# Altium PCB IntelligentCarFor51PcbDoc.PcbDoc (part 8 of 14)
Units mil, origin at the board's own origin, x right, y up, seen from the top; angles counter-clockwise.
Board outline 2298.05 x 2090.03 mil, 2 copper layers (Top Layer, Bottom Layer); 55 components, 66 nets, 258 pads, 143 vias.
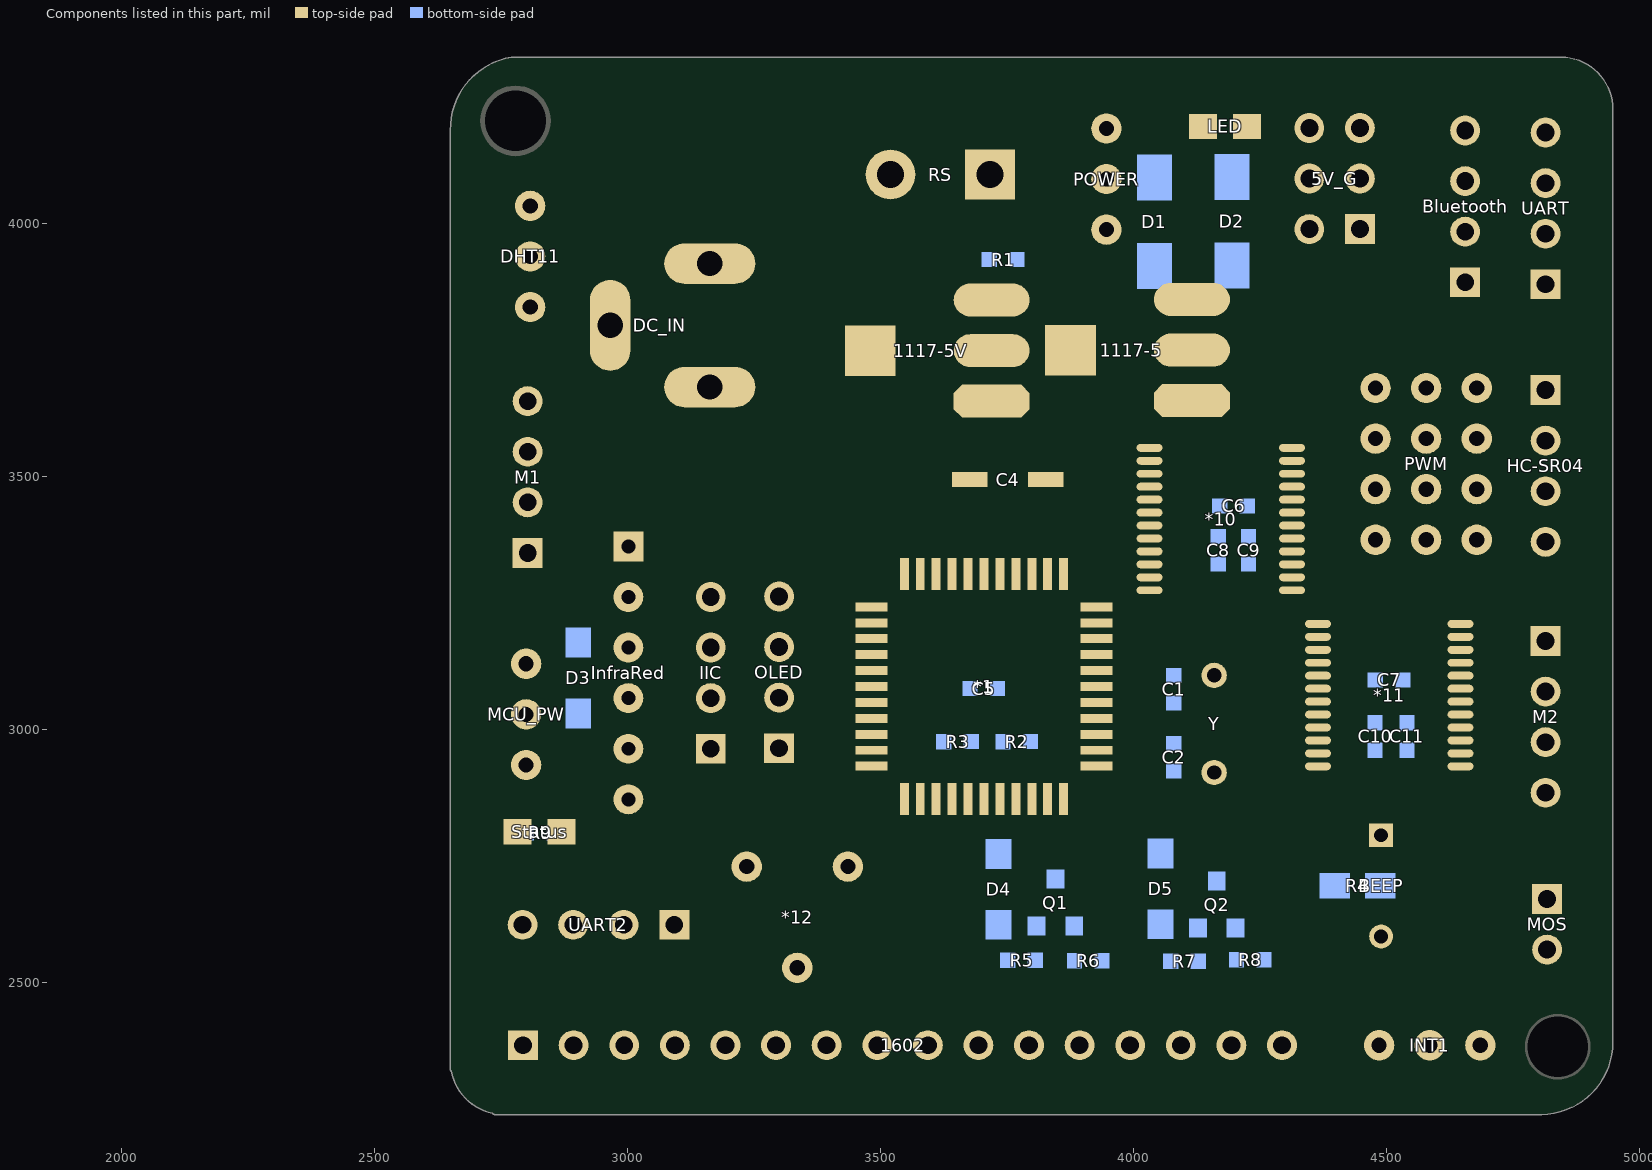
[diagram p8: the components of this part, seen from the top]

## Via types
v1: diameter 12, hole 8, Top Layer to Bottom Layer, 53 vias
v2: diameter 10, hole 7, Top Layer to Bottom Layer, 20 vias
v3: diameter 20, hole 12, Top Layer to Bottom Layer, 15 vias
v4: diameter 35, hole 25, Top Layer to Bottom Layer, 13 vias
v5: diameter 15, hole 10, Top Layer to Bottom Layer, 10 vias
v6: diameter 18, hole 12, Top Layer to Bottom Layer, 10 vias
v7: diameter 50, hole 35, Top Layer to Bottom Layer, 7 vias
v8: diameter 30, hole 20, Top Layer to Bottom Layer, 5 vias
v9: diameter 12, hole 7, Top Layer to Bottom Layer, 3 vias
v10: diameter 25, hole 18, Top Layer to Bottom Layer, 2 vias
v11: diameter 40, hole 30, Top Layer to Bottom Layer, 2 vias
v12: diameter 8, hole 7, Top Layer to Bottom Layer, 1 vias
v13: diameter 30, hole 22, Top Layer to Bottom Layer, 1 vias
v14: diameter 24, hole 18, Top Layer to Bottom Layer, 1 vias

## Nets (pads, with @x,y where several pads share a name; then routed paths per layer and width w, separated by ;. In a path a pad name is that pad's centre, name@x,y a point inside that pad or via, vN(x,y) a via of type N, cw(c..) or ccw(c..) an arc to the next point about the centre after c; other vN are vias at no path point) (continued)
copper on no net: (continued)
  Top Layer w0.35: 2054.25,3226.7 2054.6,3226.7 ; 2054.25,3227.05 2054.6,3227.05 ; 2054.25,3227.4 2054.6,3227.4 ; 2054.25,3227.75 2054.6,3227.75 ; 2054.25,3228.1 2054.6,3228.1 ; 2054.25,3228.45 2054.6,3228.45 ; 2054.25,3228.8 2054.6,3228.8 ; 2054.25,3229.15 2054.6,3229.15 ; 2054.25,3229.5 2054.6,3229.5 ; 2054.25,3229.85 2054.95,3229.85 ; 2054.6,3226 2055.3,3226 ; 2054.6,3226.35 2054.95,3226.35 ; 2054.6,3230.2 2054.95,3230.2 ; 2054.6,3230.55 2055.3,3230.55 ; 2054.95,3225.65 2065.8,3225.65 ; 2054.95,3230.9 2071.75,3230.9 ; 2055.65,3212.35 2063,3212.35 ; 2055.65,3225.3 2065.45,3225.3 ; 2055.65,3231.25 2067.9,3231.25 ; 2055.65,3231.6 2067.9,3231.6 ; 2055.65,3231.95 2068.25,3231.95 ; 2055.65,3232.3 2068.25,3232.3 ; 2055.65,3232.65 2068.6,3232.65 ; 2055.65,3233 2068.6,3233 ; 2055.65,3233.35 2068.95,3233.35 ; 2056,3212 2061.95,3212 ; 2056,3212.7 2063.7,3212.7 ; 2056,3213.05 2063.7,3213.05 ; 2056,3213.4 2064.05,3213.4 ; 2056,3223.55 2065.1,3223.55 ; 2056,3223.9 2065.1,3223.9 ; 2056,3224.25 2065.1,3224.25 ; 2056,3224.6 2065.45,3224.6 ; 2056,3224.95 2065.45,3224.95 ; 2056,3233.7 2069.3,3233.7 ; 2056,3234.05 2069.3,3234.05 ; 2056,3234.4 2069.65,3234.4 ; 2056,3234.75 2069.65,3234.75 ; 2056,3235.1 2070,3235.1 ; 2056.35,3213.75 2064.4,3213.75 ; 2056.35,3214.1 2064.4,3214.1 ; 2056.35,3221.8 2064.4,3221.8 ; 2056.35,3222.15 2064.75,3222.15 ; 2056.35,3222.5 2064.75,3222.5 ; 2056.35,3222.85 2064.75,3222.85 ; 2056.35,3223.2 2065.1,3223.2 ; 2056.35,3235.45 2070,3235.45 ; 2056.7,3214.45 2064.75,3214.45 ; 2056.7,3214.8 2065.1,3214.8 ; 2056.7,3220.75 2064.4,3220.75 ; 2056.7,3221.1 2064.4,3221.1 ; 2056.7,3221.45 2064.4,3221.45 ; 2057.05,3215.15 2065.1,3215.15 ; 2057.05,3215.5 2065.1,3215.5 ; 2057.05,3219.7 2064.05,3219.7 ; 2057.05,3220.05 2064.05,3220.05 ; 2057.05,3220.4 2064.4,3220.4 ; 2057.05,3235.8 2070.35,3235.8 ; 2057.4,3215.85 2065.45,3215.85 ; 2057.4,3216.2 2065.45,3216.2 ; 2057.4,3219 2064.05,3219 ; 2057.4,3219.35 2064.05,3219.35 ; 2057.4,3236.15 2070.7,3236.15 ; 2057.75,3216.55 2065.8,3216.55 ; 2057.75,3216.9 2065.8,3216.9 ; 2057.75,3217.25 2065.8,3217.25 ; 2057.75,3218.3 2063.35,3218.3 ; 2057.75,3218.65 2063.7,3218.65 ; 2058.1,3217.6 2059.5,3217.6 ; 2058.1,3217.95 2058.45,3217.95 ; 2058.1,3236.5 2070.7,3236.5 ; 2058.45,3236.85 2071.05,3236.85 ; 2059.15,3237.2 2071.4,3237.2 ; 2059.5,3217.95 2061.95,3217.95 ; 2059.85,3237.55 2071.4,3237.55 ; 2060.2,3237.9 2071.75,3237.9 ; 2060.2,3238.6 2060.9,3238.6 ; 2060.2,3238.95 2061.25,3238.95 ; 2060.2,3239.3 2072.8,3239.3 ; 2060.2,3239.65 2061.95,3239.65 ; 2060.2,3240 2062.65,3240 ; 2060.2,3240.35 2063,3240.35 ; 2060.2,3240.7 2063.35,3240.7 ; 2060.2,3241.05 2063.7,3241.05 ; 2060.2,3241.4 2074.9,3241.4 ; 2060.2,3241.75 2075.25,3241.75 ; 2060.2,3242.1 2075.6,3242.1 ; 2060.2,3242.45 2075.6,3242.45 ; 2060.2,3242.8 2075.95,3242.8 ; 2060.2,3243.15 2065.45,3243.15 ; 2060.2,3243.5 2065.1,3243.5 ; 2060.2,3243.85 2065.1,3243.85 ; 2060.2,3244.2 2065.1,3244.2 ; 2060.2,3244.55 2065.1,3244.55 ; 2060.55,3211.3 2061.95,3211.3 ; 2060.55,3211.65 2061.95,3211.65 ; 2060.55,3238.25 2072.1,3238.25 ; 2060.55,3244.9 2065.1,3244.9 ; 2060.55,3245.25 2065.1,3245.25 ; 2060.55,3245.6 2065.1,3245.6 ; 2060.55,3245.95 2065.1,3245.95 ; 2060.55,3246.3 2065.1,3246.3 ; 2060.9,3210.25 2063.7,3210.25 ; 2060.9,3210.6 2062.65,3210.6 ; 2060.9,3210.95 2061.95,3210.95 ; 2060.9,3246.65 2065.1,3246.65 ; 2061.25,3209.9 2065.8,3209.9 ; 2061.25,3238.6 2072.45,3238.6 ; 2061.25,3247 2065.1,3247 ; 2061.25,3247.35 2065.1,3247.35 ; 2061.25,3247.7 2065.1,3247.7 ; 2061.25,3260.3 2069.3,3260.3 ; 2061.25,3260.65 2069.3,3260.65 ; 2061.25,3261 2068.25,3261 ; 2061.25,3261.35 2069.65,3261.35 ; 2061.6,3209.55 2068.25,3209.55 ; 2061.6,3217.6 2066.15,3217.6 ; 2061.6,3238.95 2072.45,3238.95 ; 2061.6,3248.05 2065.45,3248.05 ; 2061.6,3248.4 2065.45,3248.4 ; 2061.6,3248.75 2065.45,3248.75 ; 2061.6,3249.1 2065.45,3249.1 ; 2061.6,3261.7 2068.6,3261.7 ; 2061.95,3226 2065.8,3226 ; 2061.95,3230.55 2067.55,3230.55 ; 2061.95,3249.45 2065.8,3249.45 ; 2061.95,3249.8 2065.8,3249.8 ; 2061.95,3250.15 2065.8,3250.15 ; 2061.95,3250.5 2064.75,3250.5 ; 2061.95,3250.85 2097.65,3250.85 ; 2061.95,3251.2 2068.6,3251.2 ; 2061.95,3262.05 2068.95,3262.05 ; 2062.3,3209.2 2068.95,3209.2 ; 2062.3,3226.35 2065.8,3226.35 ; 2062.3,3230.2 2067.55,3230.2 ; 2062.3,3251.55 2066.15,3251.55 ; 2062.3,3251.9 2066.15,3251.9 ; 2062.3,3252.25 2066.5,3252.25 ; 2062.3,3252.6 2066.5,3252.6 ; 2062.3,3252.95 2066.5,3252.95 ; 2062.3,3253.3 2066.5,3253.3 ; 2062.3,3253.65 2066.5,3253.65 ; 2062.3,3254 2066.85,3254 ; 2062.3,3262.4 2070.35,3262.4 ; 2062.65,3226.7 2066.15,3226.7 ; 2062.65,3227.05 2066.15,3227.05 ; 2062.65,3227.4 2066.15,3227.4 ; 2062.65,3227.75 2066.5,3227.75 ; 2062.65,3228.1 2066.5,3228.1 ; 2062.65,3228.45 2066.85,3228.45 ; 2062.65,3228.8 2066.85,3228.8 ; 2062.65,3229.15 2066.85,3229.15 ; 2062.65,3229.5 2067.2,3229.5 ; 2062.65,3229.85 2067.2,3229.85 ; 2062.65,3239.65 2073.15,3239.65 ; 2062.65,3254.35 2066.85,3254.35 ; 2062.65,3254.7 2066.85,3254.7 ; 2062.65,3255.05 2067.2,3255.05 ; 2062.65,3255.4 2067.2,3255.4 ; 2062.65,3255.75 2067.2,3255.75 ; 2062.65,3256.1 2067.55,3256.1 ; 2062.65,3256.45 2066.5,3256.45 ; 2062.65,3256.8 2067.55,3256.8 ; 2062.65,3262.75 2069.3,3262.75 ; 2063,3240 2073.5,3240 ; 2063,3257.15 2067.9,3257.15 ; 2063,3257.5 2067.9,3257.5 ; 2063,3257.85 2068.25,3257.85 ; 2063,3258.2 2068.25,3258.2 ; 2063,3258.55 2068.25,3258.55 ; 2063,3258.9 2067.2,3258.9 ; 2063,3259.25 2072.8,3259.25 ; 2063,3263.1 2071.05,3263.1 ; 2063.35,3217.95 2066.15,3217.95 ; 2063.35,3240.35 2073.85,3240.35 ; 2063.35,3259.6 2068.95,3259.6 ; 2063.35,3259.95 2068.95,3259.95 ; 2063.35,3263.45 2069.65,3263.45 ; 2063.7,3208.85 2069.65,3208.85 ; 2063.7,3212.35 2064.05,3212.35 ; 2063.7,3218.3 2066.15,3218.3 ; 2063.7,3240.7 2073.85,3240.7 ; 2063.7,3263.8 2070,3263.8 ; 2064.05,3212.7 2065.45,3212.7 ; 2064.05,3218.65 2066.5,3218.65 ; 2064.05,3241.05 2074.2,3241.05 ; 2064.05,3264.15 2072.1,3264.15 ; 2064.4,3213.05 2066.5,3213.05 ; 2064.4,3219 2066.5,3219 ; 2064.4,3219.35 2066.85,3219.35 ; 2064.4,3219.7 2066.85,3219.7 ; 2064.4,3220.05 2066.85,3220.05 ; 2064.4,3264.5 2070.35,3264.5 ; 2064.4,3264.85 2070.7,3264.85 ; 2064.75,3213.4 2067.9,3213.4 ; 2064.75,3213.75 2068.6,3213.75 ; 2064.75,3220.4 2067.2,3220.4 ; 2064.75,3220.75 2067.2,3220.75 ; 2064.75,3221.1 2067.2,3221.1 ; 2064.75,3221.45 2067.55,3221.45 ; 2064.75,3265.2 2071.05,3265.2 ; 2064.75,3265.55 2074.2,3265.55 ; 2064.75,3265.9 2071.4,3265.9 ; 2065.1,3214.1 2069.3,3214.1 ; 2065.1,3214.45 2069.3,3214.45 ; 2065.1,3221.8 2067.55,3221.8 ; 2065.1,3222.15 2067.55,3222.15 ; 2065.1,3222.5 2067.9,3222.5 ; 2065.1,3222.85 2067.9,3222.85 ; 2065.1,3250.5 2066.15,3250.5 ; 2065.1,3266.25 2071.75,3266.25 ; 2065.1,3266.6 2072.1,3266.6 ; 2065.45,3214.8 2069.3,3214.8 ; 2065.45,3215.15 2069.65,3215.15 ; 2065.45,3223.2 2068.25,3223.2 ; 2065.45,3223.55 2068.25,3223.55 ; 2065.45,3223.9 2068.25,3223.9 ; 2065.45,3224.25 2068.6,3224.25 ; 2065.45,3266.95 2072.45,3266.95 ; 2065.8,3215.5 2069.65,3215.5 ; 2065.8,3215.85 2069.65,3215.85 ; 2065.8,3216.2 2069.65,3216.2 ; 2065.8,3224.6 2068.6,3224.6 ; 2065.8,3224.95 2068.95,3224.95 ; 2065.8,3225.3 2068.95,3225.3 ; 2065.8,3267.3 2072.8,3267.3 ; 2065.8,3267.65 2073.15,3267.65 ; 2066.15,3208.5 2070.35,3208.5 ; 2066.15,3216.55 2070,3216.55 ; 2066.15,3216.9 2070,3216.9 ; 2066.15,3225.65 2068.95,3225.65 ; 2066.15,3226 2069.3,3226 ; 2066.15,3268 2073.5,3268 ; 2066.5,3217.25 2070,3217.25 ; 2066.5,3217.6 2070,3217.6 ; 2066.5,3217.95 2070.35,3217.95 ; 2066.5,3226.35 2069.3,3226.35 ; 2066.5,3226.7 2069.65,3226.7 ; 2066.5,3227.05 2069.65,3227.05 ; 2066.5,3227.4 2070,3227.4 ; 2066.5,3250.5 2093.45,3250.5 ; 2066.5,3268.35 2073.85,3268.35 ; 2066.85,3218.3 2070.35,3218.3 ; 2066.85,3218.65 2070.35,3218.65 ; 2066.85,3219 2070.35,3219 ; 2066.85,3227.75 2070,3227.75 ; 2066.85,3228.1 2070.35,3228.1 ; 2066.85,3256.45 2067.55,3256.45 ; 2066.85,3268.7 2074.2,3268.7 ; 2066.85,3269.05 2074.55,3269.05 ; 2067.2,3219.35 2070.7,3219.35 ; 2067.2,3219.7 2070.7,3219.7 ; 2067.2,3220.05 2070.7,3220.05 ; 2067.2,3228.45 2070.35,3228.45 ; 2067.2,3228.8 2070.7,3228.8 ; 2067.2,3229.15 2070.7,3229.15 ; 2067.2,3269.4 2091.7,3269.4 ; 2067.55,3220.4 2070.7,3220.4 ; 2067.55,3220.75 2071.05,3220.75 ; 2067.55,3221.1 2071.05,3221.1 ; 2067.55,3229.5 2071.05,3229.5 ; 2067.55,3229.85 2071.05,3229.85 ; 2067.55,3258.9 2114.45,3258.9 ; 2067.9,3208.15 2071.05,3208.15 ; 2067.9,3221.45 2071.05,3221.45 ; 2067.9,3221.8 2071.4,3221.8 ; 2067.9,3230.2 2071.4,3230.2 ; 2067.9,3230.55 2071.4,3230.55 ; 2067.9,3243.15 2076.65,3243.15 ; 2067.9,3269.75 2075.6,3269.75 ; 2068.25,3222.15 2071.4,3222.15 ; 2068.25,3222.5 2071.4,3222.5 ; 2068.25,3222.85 2071.75,3222.85 ; 2068.25,3231.25 2071.75,3231.25 ; 2068.25,3231.6 2072.1,3231.6 ; 2068.25,3243.5 2077,3243.5 ; 2068.25,3270.1 2068.95,3270.1 ; 2068.6,3207.8 2071.75,3207.8 ; 2068.6,3223.2 2071.75,3223.2 ; 2068.6,3223.55 2071.75,3223.55 ; 2068.6,3223.9 2072.1,3223.9 ; 2068.6,3231.95 2072.45,3231.95 ; 2068.6,3232.3 2072.45,3232.3 ; 2068.6,3243.85 2077.35,3243.85 ; 2068.6,3261 2069.65,3261 ; 2068.6,3270.45 2090.65,3270.45 ; 2068.95,3224.25 2072.1,3224.25 ; 2068.95,3224.6 2072.45,3224.6 ; 2068.95,3232.65 2072.8,3232.65 ; 2068.95,3244.2 2077.7,3244.2 ; 2068.95,3244.55 2078.4,3244.55 ; 2068.95,3261.7 2070,3261.7 ; 2068.95,3270.8 2075.95,3270.8 ; 2069.3,3207.45 2073.85,3207.45 ; 2069.3,3224.95 2072.45,3224.95 ; 2069.3,3225.3 2072.45,3225.3 ; 2069.3,3225.65 2072.8,3225.65 ; 2069.3,3233 2073.15,3233 ; 2069.3,3233.35 2073.15,3233.35 ; 2069.3,3244.9 2078.75,3244.9 ; 2069.3,3245.25 2079.1,3245.25 ; 2069.3,3245.6 2079.8,3245.6 ; 2069.3,3262.05 2070.35,3262.05 ; 2069.3,3270.1 2069.65,3270.1 ; 2069.3,3271.15 2070,3271.15 ; 2069.65,3226 2072.8,3226 ; 2069.65,3226.35 2073.15,3226.35 ; 2069.65,3233.7 2073.5,3233.7 ; 2069.65,3234.05 2073.85,3234.05 ; 2069.65,3245.95 2080.15,3245.95 ; 2069.65,3246.3 2080.85,3246.3 ; 2069.65,3246.65 2081.55,3246.65 ; 2069.65,3262.75 2070.7,3262.75 ; 2070,3207.1 2073.85,3207.1 ; 2070,3226.7 2073.15,3226.7 ; 2070,3227.05 2073.5,3227.05 ; 2070,3234.4 2073.85,3234.4 ; 2070,3234.75 2074.2,3234.75 ; 2070,3247 2081.9,3247 ; 2070,3247.35 2082.6,3247.35 ; 2070,3247.7 2083.3,3247.7 ; 2070,3263.45 2071.4,3263.45 ; 2070,3271.5 2131.95,3271.5 ; 2070,3271.85 2077.7,3271.85 ; 2070.35,3227.4 2073.5,3227.4 ; 2070.35,3227.75 2073.85,3227.75 ; 2070.35,3235.1 2074.55,3235.1 ; 2070.35,3248.05 2084.35,3248.05 ; 2070.35,3248.4 2085.05,3248.4 ; 2070.35,3248.75 2085.75,3248.75 ; 2070.35,3249.1 2086.8,3249.1 ; 2070.35,3263.8 2071.75,3263.8 ; 2070.35,3272.2 2078.05,3272.2 ; 2070.35,3272.55 2097.65,3272.55 ; 2070.7,3206.75 2074.2,3206.75 ; 2070.7,3228.1 2073.85,3228.1 ; 2070.7,3228.45 2074.2,3228.45 ; 2070.7,3235.45 2074.9,3235.45 ; 2070.7,3235.8 2074.9,3235.8 ; 2070.7,3249.45 2087.85,3249.45 ; 2070.7,3249.8 2089.25,3249.8 ; 2070.7,3250.15 2090.65,3250.15 ; 2070.7,3264.5 2072.45,3264.5 ; 2070.7,3272.9 2071.05,3272.9 ; 2071.05,3228.8 2074.2,3228.8 ; 2071.05,3229.15 2074.55,3229.15 ; 2071.05,3236.15 2075.25,3236.15 ; 2071.05,3251.2 2269.85,3251.2 ; 2071.05,3258.55 2114.45,3258.55 ; 2071.05,3264.85 2072.8,3264.85 ; 2071.4,3206.4 2074.2,3206.4 ; 2071.4,3229.5 2074.9,3229.5 ; 2071.4,3229.85 2074.9,3229.85 ; 2071.4,3236.5 2075.6,3236.5 ; 2071.4,3236.85 2075.95,3236.85 ; 2071.4,3251.55 2269.5,3251.55 ; 2071.4,3251.9 2269.15,3251.9 ; 2071.4,3252.25 2269.15,3252.25 ; 2071.4,3265.2 2073.5,3265.2 ; 2071.4,3272.9 2071.75,3272.9 ; 2071.75,3230.2 2075.25,3230.2 ; 2071.75,3230.55 2075.25,3230.55 ; 2071.75,3237.2 2076.3,3237.2 ; 2071.75,3252.6 2269.15,3252.6 ; 2071.75,3252.95 2269.15,3252.95 ; 2071.75,3253.3 2269.15,3253.3 ; 2071.75,3265.9 2164.15,3265.9 ; 2072.1,3206.05 2074.2,3206.05 ; 2072.1,3209.2 2073.5,3209.2 ; 2072.1,3209.55 2073.5,3209.55 ; 2072.1,3209.9 2073.5,3209.9 ; 2072.1,3210.25 2073.5,3210.25 ; 2072.1,3210.6 2073.5,3210.6 ; 2072.1,3210.95 2073.5,3210.95 ; 2072.1,3211.3 2073.5,3211.3 ; 2072.1,3211.65 2073.5,3211.65 ; 2072.1,3212 2073.5,3212 ; 2072.1,3212.35 2073.5,3212.35 ; 2072.1,3212.7 2073.5,3212.7 ; 2072.1,3213.05 2073.5,3213.05 ; 2072.1,3213.4 2073.5,3213.4 ; 2072.1,3213.75 2073.5,3213.75 ; 2072.1,3214.1 2073.5,3214.1 ; 2072.1,3214.45 2073.5,3214.45 ; 2072.1,3214.8 2073.5,3214.8 ; 2072.1,3215.15 2073.5,3215.15 ; 2072.1,3215.5 2073.5,3215.5 ; 2072.1,3215.85 2073.5,3215.85 ; 2072.1,3216.2 2073.5,3216.2 ; 2072.1,3216.55 2073.5,3216.55 ; 2072.1,3230.9 2075.6,3230.9 ; 2072.1,3237.55 2076.65,3237.55 ; 2072.1,3237.9 2077,3237.9 ; 2072.1,3253.65 2119.35,3253.65 ; 2072.1,3254 2117.95,3254 ; 2072.1,3266.25 2164.85,3266.25 ; 2072.1,3272.9 2078.4,3272.9 ; 2072.45,3207.8 2073.85,3207.8 ; 2072.45,3208.15 2073.85,3208.15 ; 2072.45,3208.5 2073.85,3208.5 ; 2072.45,3208.85 2073.5,3208.85 ; 2072.45,3216.9 2073.85,3216.9 ; 2072.45,3217.25 2073.85,3217.25 ; 2072.45,3217.6 2073.85,3217.6 ; 2072.45,3217.95 2073.85,3217.95 ; 2072.45,3218.3 2073.85,3218.3 ; 2072.45,3231.25 2075.95,3231.25 ; 2072.45,3231.6 2075.95,3231.6 ; 2072.45,3238.25 2077.35,3238.25 ; 2072.45,3254.35 2117.25,3254.35 ; 2072.45,3254.7 2116.9,3254.7 ; 2072.45,3255.05 2116.2,3255.05 ; 2072.45,3266.6 2172.55,3266.6 ; 2072.8,3205.7 2074.2,3205.7 ; 2072.8,3218.65 2074.2,3218.65 ; 2072.8,3219 2074.2,3219 ; 2072.8,3219.35 2074.2,3219.35 ; 2072.8,3219.7 2074.2,3219.7 ; 2072.8,3231.95 2076.3,3231.95 ; 2072.8,3238.6 2077.7,3238.6 ; 2072.8,3255.4 2115.85,3255.4 ; 2072.8,3255.75 2115.85,3255.75 ; 2072.8,3256.1 2115.5,3256.1 ; 2072.8,3266.95 2163.8,3266.95 ; 2073.15,3204.65 2074.55,3204.65 ; 2073.15,3205 2074.55,3205 ; 2073.15,3205.35 2074.55,3205.35 ; 2073.15,3220.05 2074.55,3220.05 ; 2073.15,3220.4 2074.55,3220.4 ; 2073.15,3220.75 2074.55,3220.75 ; 2073.15,3232.3 2076.65,3232.3 ; 2073.15,3232.65 2076.65,3232.65 ; 2073.15,3238.95 2075.6,3238.95 ; 2073.15,3256.45 2115.15,3256.45 ; 2073.15,3256.8 2114.8,3256.8 ; 2073.15,3257.15 2114.8,3257.15 ; 2073.15,3257.5 2114.8,3257.5 ; 2073.15,3259.25 2073.5,3259.25 ; 2073.15,3267.3 2154,3267.3 ; 2073.5,3203.6 2075.25,3203.6 ; 2073.5,3203.95 2074.9,3203.95 ; 2073.5,3204.3 2074.9,3204.3 ; 2073.5,3221.1 2074.9,3221.1 ; 2073.5,3221.45 2074.9,3221.45 ; 2073.5,3221.8 2074.9,3221.8 ; 2073.5,3233 2077,3233 ; 2073.5,3239.3 2078.4,3239.3 ; 2073.5,3239.65 2079.1,3239.65 ; 2073.5,3257.85 2114.45,3257.85 ; 2073.5,3258.2 2114.45,3258.2 ; 2073.5,3267.65 2144.55,3267.65 ; 2073.85,3202.55 2075.6,3202.55 ; 2073.85,3202.9 2075.25,3202.9 ; 2073.85,3203.25 2075.25,3203.25 ; 2073.85,3210.25 2078.75,3210.25 ; 2073.85,3210.6 2078.75,3210.6 ; 2073.85,3210.95 2078.75,3210.95 ; 2073.85,3211.3 2078.75,3211.3 ; 2073.85,3211.65 2078.75,3211.65 ; 2073.85,3212 2078.75,3212 ; 2073.85,3212.35 2078.75,3212.35 ; 2073.85,3212.7 2078.75,3212.7 ; 2073.85,3213.05 2078.75,3213.05 ; 2073.85,3213.4 2078.75,3213.4 ; 2073.85,3213.75 2078.75,3213.75 ; 2073.85,3214.1 2078.75,3214.1 ; 2073.85,3214.45 2078.75,3214.45 ; 2073.85,3214.8 2078.75,3214.8 ; 2073.85,3215.15 2078.75,3215.15 ; 2073.85,3222.15 2075.25,3222.15 ; 2073.85,3222.5 2075.25,3222.5 ; 2073.85,3233.35 2077.35,3233.35 ; 2073.85,3233.7 2077.7,3233.7 ; 2073.85,3240 2079.45,3240 ; 2073.85,3259.25 2114.45,3259.25 ; 2073.85,3268 2135.8,3268 ; 2074.2,3201.85 2075.95,3201.85 ; 2074.2,3202.2 2075.6,3202.2 ; 2074.2,3207.8 2079.45,3207.8 ; 2074.2,3208.15 2079.45,3208.15 ; 2074.2,3208.5 2079.1,3208.5 ; 2074.2,3208.85 2079.1,3208.85 ; 2074.2,3209.2 2079.1,3209.2 ; 2074.2,3209.55 2079.1,3209.55 ; 2074.2,3209.9 2079.1,3209.9 ; 2074.2,3215.5 2079.1,3215.5 ; 2074.2,3215.85 2079.1,3215.85 ; 2074.2,3216.2 2079.1,3216.2 ; 2074.2,3216.55 2079.1,3216.55 ; 2074.2,3216.9 2079.1,3216.9 ; 2074.2,3217.25 2079.45,3217.25 ; 2074.2,3217.6 2079.45,3217.6 ; 2074.2,3222.85 2075.6,3222.85 ; 2074.2,3223.2 2075.6,3223.2 ; 2074.2,3223.55 2075.95,3223.55 ; 2074.2,3234.05 2078.05,3234.05 ; 2074.2,3240.35 2079.8,3240.35 ; 2074.2,3259.6 2114.45,3259.6 ; 2074.2,3259.95 2114.45,3259.95 ; 2074.2,3268.35 2124.6,3268.35 ; 2074.55,3201.15 2076.3,3201.15 ; 2074.55,3201.5 2075.95,3201.5 ; 2074.55,3206.4 2079.8,3206.4 ; 2074.55,3206.75 2079.8,3206.75 ; 2074.55,3207.1 2079.45,3207.1 ; 2074.55,3207.45 2079.45,3207.45 ; 2074.55,3217.95 2079.45,3217.95 ; 2074.55,3218.3 2079.45,3218.3 ; 2074.55,3218.65 2079.8,3218.65 ; 2074.55,3219 2079.8,3219 ; 2074.55,3223.9 2075.95,3223.9 ; 2074.55,3224.25 2076.3,3224.25 ; 2074.55,3234.4 2078.4,3234.4 ; 2074.55,3234.75 2078.75,3234.75 ; 2074.55,3240.7 2080.5,3240.7 ; 2074.55,3260.3 2114.45,3260.3 ; 2074.55,3260.65 2114.45,3260.65 ; 2074.55,3261 2114.8,3261 ; 2074.55,3268.7 2114.45,3268.7 ; 2074.9,3200.45 2076.65,3200.45 ; 2074.9,3200.8 2076.3,3200.8 ; 2074.9,3205.35 2080.15,3205.35 ; 2074.9,3205.7 2080.15,3205.7 ; 2074.9,3206.05 2079.8,3206.05 ; 2074.9,3219.35 2079.8,3219.35 ; 2074.9,3219.7 2080.15,3219.7 ; 2074.9,3220.05 2080.15,3220.05 ; 2074.9,3224.6 2076.3,3224.6 ; 2074.9,3224.95 2076.65,3224.95 ; 2074.9,3235.1 2078.75,3235.1 ; 2074.9,3241.05 2080.85,3241.05 ; 2074.9,3261.35 2114.8,3261.35 ; 2074.9,3261.7 2114.8,3261.7 ; 2074.9,3262.05 2115.15,3262.05 ; 2074.9,3269.05 2104.65,3269.05 ; 2074.9,3270.1 2075.25,3270.1 ; 2075.25,3199.75 2077,3199.75 ; 2075.25,3200.1 2076.65,3200.1 ; 2075.25,3204.3 2080.5,3204.3 ; 2075.25,3204.65 2080.5,3204.65 ; 2075.25,3205 2080.15,3205 ; 2075.25,3220.4 2080.5,3220.4 ; 2075.25,3220.75 2080.5,3220.75 ; 2075.25,3221.1 2080.85,3221.1 ; 2075.25,3225.3 2076.65,3225.3 ; 2075.25,3225.65 2077,3225.65 ; 2075.25,3235.45 2079.45,3235.45 ; 2075.25,3241.4 2081.55,3241.4 ; 2075.25,3262.4 2115.15,3262.4 ; 2075.25,3262.75 2115.5,3262.75 ; 2075.25,3265.55 2163.45,3265.55 ; 2075.6,3199.4 2077.35,3199.4 ; 2075.6,3203.6 2080.85,3203.6 ; 2075.6,3203.95 2080.85,3203.95 ; 2075.6,3221.45 2080.85,3221.45 ; 2075.6,3221.8 2080.85,3221.8 ; 2075.6,3226 2077.35,3226 ; 2075.6,3235.8 2078.4,3235.8 ; 2075.6,3241.75 2081.9,3241.75 ; 2075.6,3263.1 2115.85,3263.1 ; 2075.6,3263.45 2116.2,3263.45 ; 2075.6,3263.8 2116.55,3263.8 ; 2075.6,3265.2 2206.5,3265.2 ; 2075.95,3198.7 2077.7,3198.7 ; 2075.95,3199.05 2077.35,3199.05 ; 2075.95,3202.55 2081.55,3202.55 ; 2075.95,3202.9 2081.2,3202.9 ; 2075.95,3203.25 2081.2,3203.25 ; 2075.95,3222.15 2081.2,3222.15 ; 2075.95,3222.5 2081.55,3222.5 ; 2075.95,3222.85 2081.55,3222.85 ; 2075.95,3226.35 2077.35,3226.35 ; 2075.95,3226.7 2077.7,3226.7 ; 2075.95,3236.15 2078.05,3236.15 ; 2075.95,3238.95 2078.05,3238.95 ; 2075.95,3242.1 2082.6,3242.1 ; 2075.95,3264.15 2117.25,3264.15 ; 2075.95,3264.5 2117.6,3264.5 ; 2075.95,3264.85 2118.65,3264.85 ; 2075.95,3269.75 2080.85,3269.75 ; 2075.95,3271.15 2077.35,3271.15 ; 2076.3,3198 2078.05,3198 ; 2076.3,3198.35 2078.05,3198.35 ; 2076.3,3201.85 2081.9,3201.85 ; 2076.3,3202.2 2081.9,3202.2 ; 2076.3,3223.2 2081.9,3223.2 ; 2076.3,3223.55 2081.9,3223.55 ; 2076.3,3227.05 2078.05,3227.05 ; 2076.3,3236.5 2077.7,3236.5 ; 2076.3,3236.85 2080.85,3236.85 ; 2076.3,3242.45 2083.3,3242.45 ; 2076.3,3270.8 2076.65,3270.8 ; 2076.65,3197.65 2078.4,3197.65 ; 2076.65,3201.15 2082.6,3201.15 ; 2076.65,3201.5 2082.25,3201.5 ; 2076.65,3223.9 2082.25,3223.9 ; 2076.65,3224.25 2082.6,3224.25 ; 2076.65,3227.4 2078.05,3227.4 ; 2076.65,3227.75 2078.4,3227.75 ; 2076.65,3237.2 2081.2,3237.2 ; 2076.65,3242.8 2084,3242.8 ; 2076.65,3273.25 2095.9,3273.25 ; 2077,3197.3 2078.75,3197.3 ; 2077,3200.45 2082.95,3200.45 ; 2077,3200.8 2082.95,3200.8 ; 2077,3224.6 2082.95,3224.6 ; 2077,3228.1 2078.75,3228.1 ; 2077,3243.15 2084.7,3243.15 ; 2077,3270.1 2077.35,3270.1 ; 2077.35,3196.95 2079.1,3196.95 ; 2077.35,3200.1 2083.3,3200.1 ; 2077.35,3224.95 2082.95,3224.95 ; 2077.35,3225.3 2083.3,3225.3 ; 2077.35,3228.45 2079.1,3228.45 ; 2077.35,3228.8 2079.1,3228.8 ; 2077.35,3237.55 2081.55,3237.55 ; 2077.35,3243.5 2085.4,3243.5 ; 2077.35,3273.6 2078.75,3273.6 ; 2077.7,3196.25 2079.45,3196.25 ; 2077.7,3196.6 2079.45,3196.6 ; 2077.7,3199.4 2084,3199.4 ; 2077.7,3199.75 2083.65,3199.75 ; 2077.7,3225.65 2083.65,3225.65 ; 2077.7,3226 2084,3226 ; 2077.7,3229.15 2079.45,3229.15 ; 2077.7,3237.9 2082.25,3237.9 ; 2077.7,3238.25 2082.6,3238.25 ; 2077.7,3270.8 2078.4,3270.8 ; 2077.7,3273.95 2079.1,3273.95 ; 2078.05,3195.9 2079.8,3195.9 ; 2078.05,3199.05 2084.35,3199.05 ; 2078.05,3226.35 2084.35,3226.35 ; 2078.05,3229.5 